# Altium PCB MB1272C_PMIC.PcbDoc (part 8 of 10) (continued)
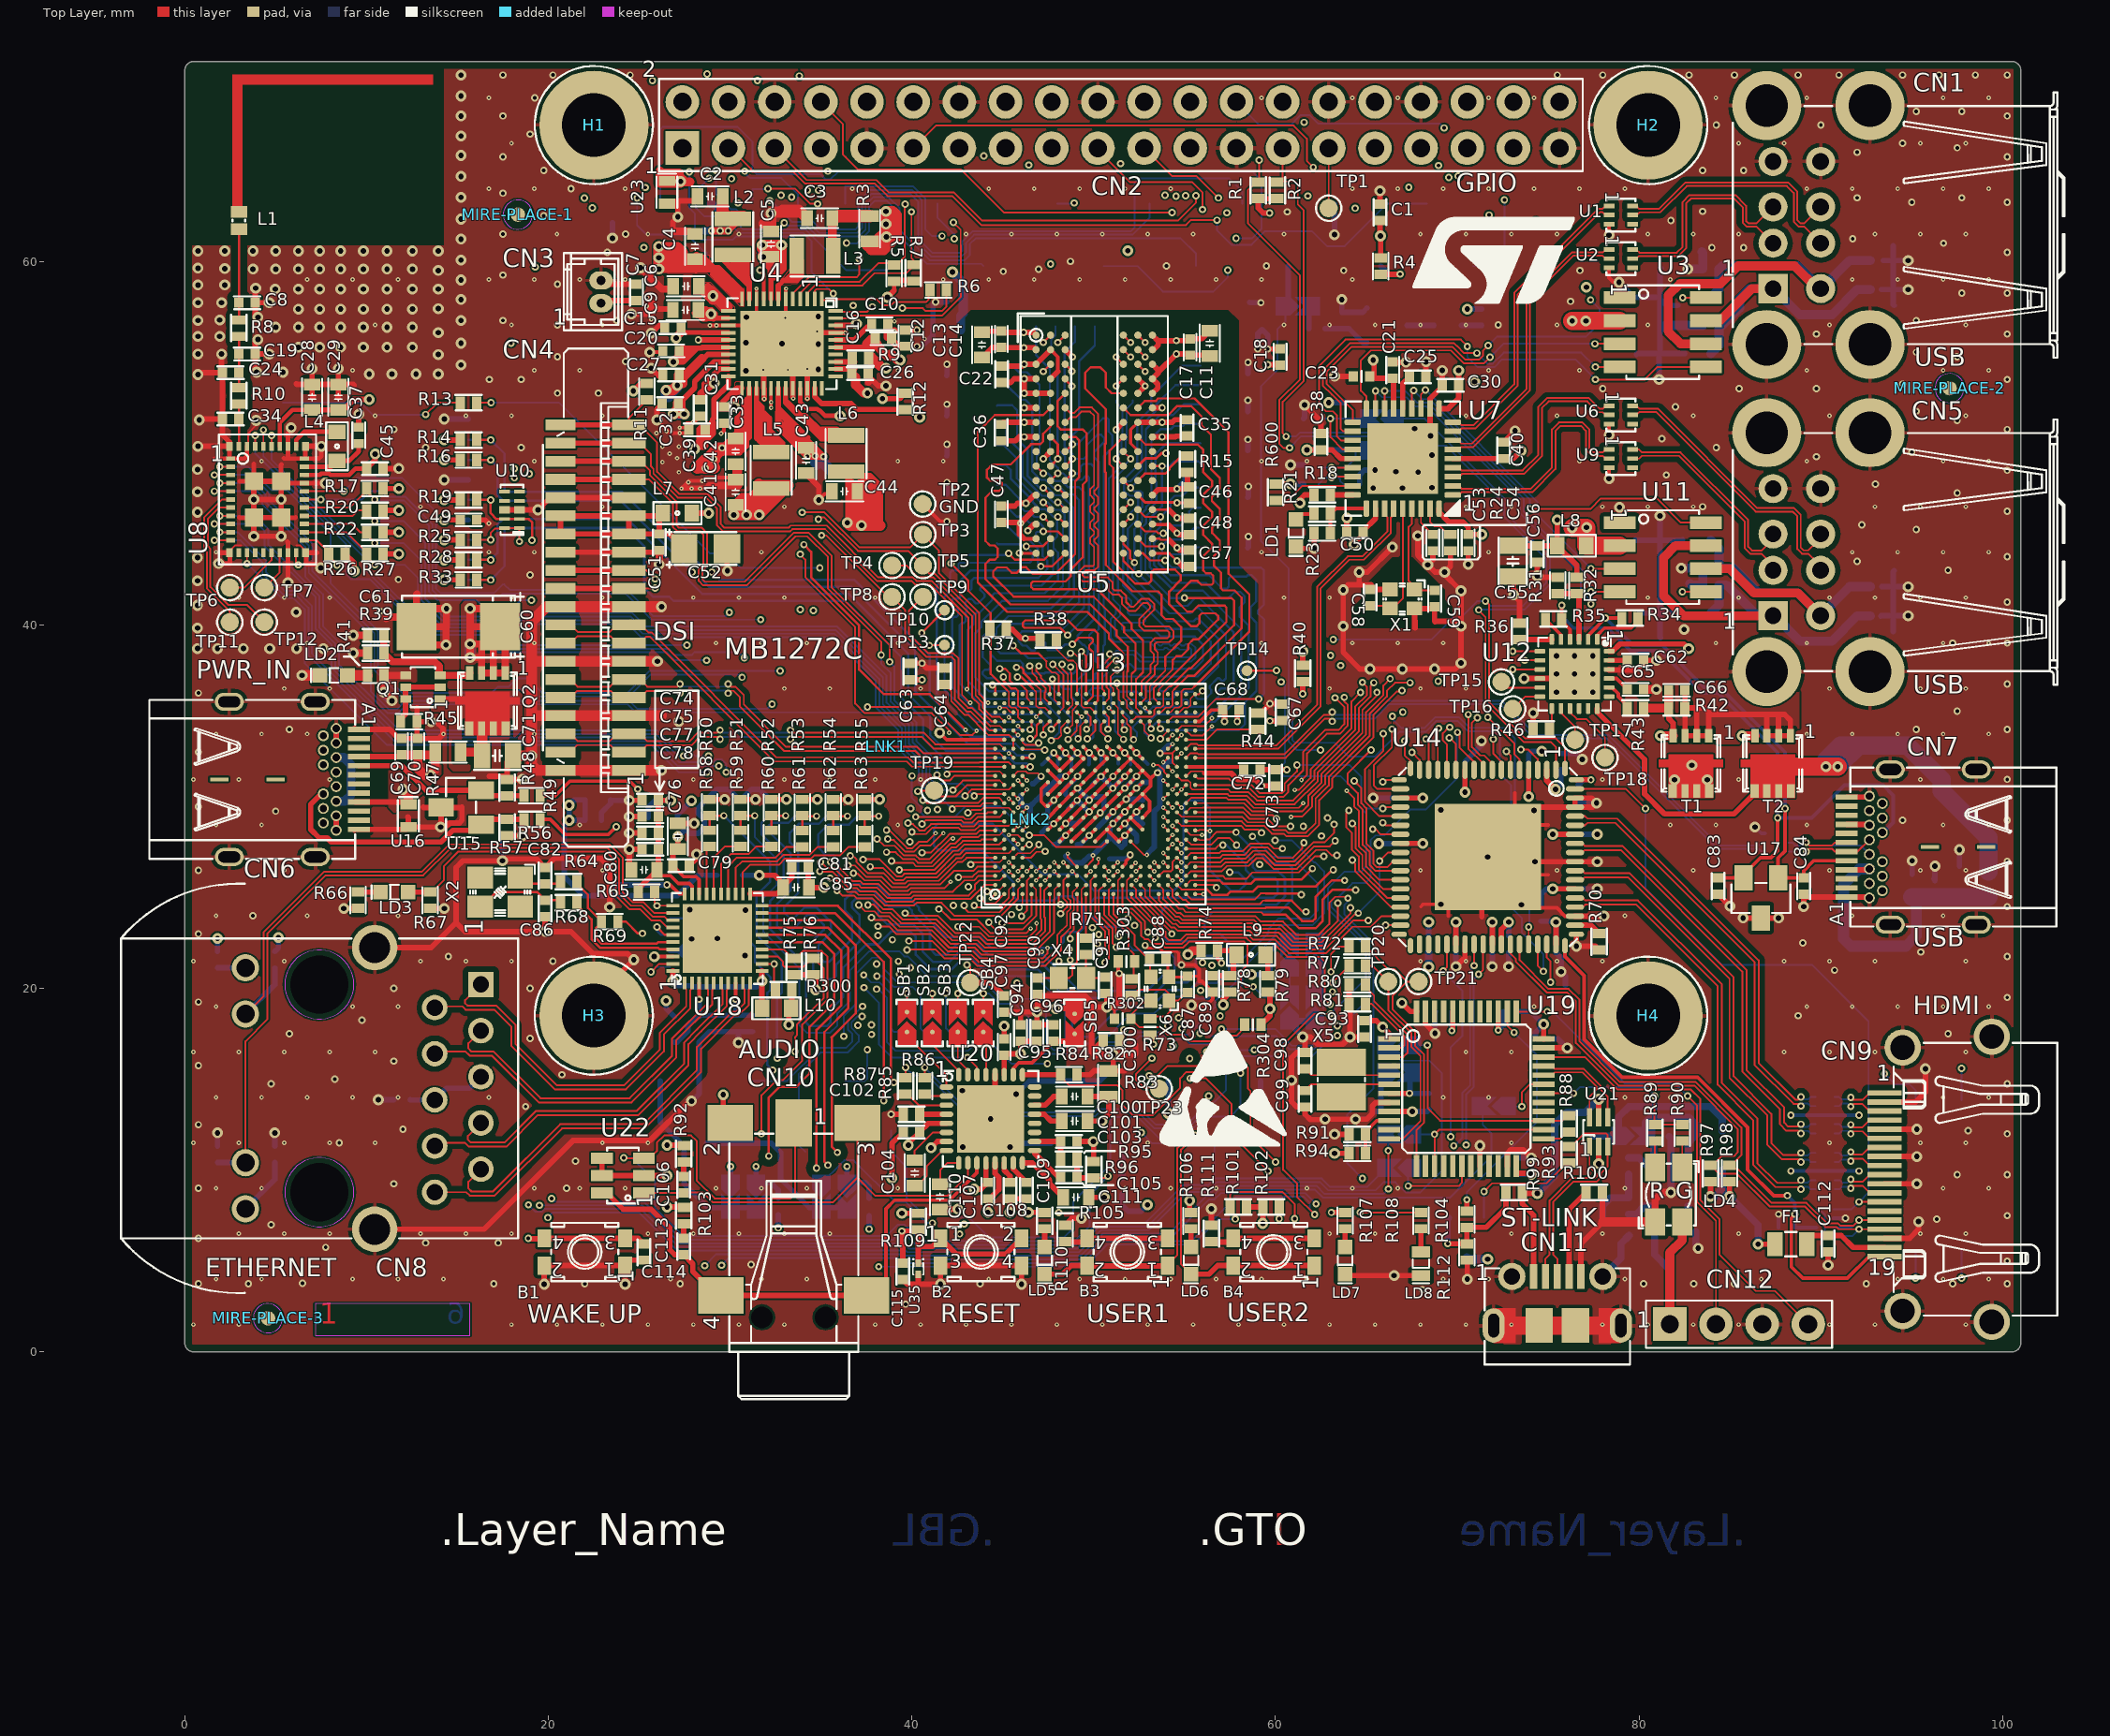
[diagram p0: Top Layer view]
## Nets (pads, with @x,y where several pads share a name; then routed paths per layer and width w, separated by ;. In a path a pad name is that pad's centre, name@x,y a point inside that pad or via, vN(x,y) a via of type N, cw(c..) or ccw(c..) an arc to the next point about the centre after c; other vN are vias at no path point) (continued)
  Bottom Layer w0.1: SB14.2@42.525,18.7 v1(42.525,19.725)
SAI2_SDA: SB2.1 U20.32 | length 3
  Top Layer w0.1: SB2.1@41.125,17.6 41.125,16.9 42.575,15.45 U20.32@42.575,15.25
SAI2_SDAM: SB2.2 SB15.2 U13.F4 | length 16.3
  Top Layer w0.1: SB2.2@41.125,18.7 v1(41.125,19.725) ; v1(41.48,24.365) 41.505,24.39 41.53,24.39 42.13,23.79 43.58,23.79 44.33,23.04 46.28,23.04 v4(46.53,23.29) ; v2(46.83,26.44) U13.F4@47.08,26.69
  Signal Layer 1 w0.1: v4(46.53,23.29) 46.53,26.14 v2(46.83,26.44)
  Signal Layer 2 w0.1: v1(41.48,24.365) v1@41.48,24.49
  Signal Layer 3 w0.1: v1(41.125,19.725) 41.105,19.745 41.105,23.99 v1(41.48,24.365)
  Bottom Layer w0.1: SB15.2@41.125,18.7 v1(41.125,19.725)
SAI2_SDB: SB4.1 U20.29 | length 2.4
  Top Layer w0.1: SB4.1@43.925,17.6 44.075,17.45 U20.29@44.075,15.25
SAI2_SDBM: SB4.2 SB13.2 U13.Y10 | length 43.8
  Top Layer w0.1: SB4.2@43.925,18.7 v1(43.925,19.725) ; v2(53.83,29.94) U13.Y10@54.08,29.69
  Signal Layer 1 w0.1: v2(53.83,29.94) 54.13,29.64 59.125,29.64 59.788,28.977 59.991,28.977 60.95,28.018 60.95,23.798 63.68,21.068 63.68,19.869 63.276,19.465 62.715,19.465 59.84,16.59 58.855,16.59 v1(58.83,16.615)
  Bottom Layer w0.1: SB13.2@43.925,18.7 v1(43.925,19.725) 44.235,19.725 44.81,19.15 45.7,19.15 46.425,18.425 46.425,16.825 46.85,16.4 50.075,16.4 50.525,16.85 51.985,16.85 52.51,17.375 53.888,17.375 54.073,17.19 54.775,17.19 55.075,17.19 55.075,17.175 55.3,16.95 56.35,16.95 56.685,16.615 v1(58.83,16.615)
SDMMC1_CK: CN15.5 R19.1 U10.2 U10.9 U13.D13 | length 41.8
  Top Layer w0.13: R19.1@16.05,46.875 v1(16.825,46.875) 16.825,46.15 17.15,45.825 U10.9@17.59,45.825 U10.2@18.41,45.825 18.925,45.825 19.1,45.65 v1(19.1,44.65) ; v1(34.055,44.415) 34.455,44.015 34.455,42.615 37.101,39.969 37.101,37.544 38.455,36.19 40.98,36.19 v4(42.955,34.215) ; v2(45.83,31.44) U13.D13@46.08,31.19
  Signal Layer 1 w0.13: v4(42.955,34.215) 43.32,33.85 44.83,33.85 45.83,32.85 v2(45.83,31.44)
  Signal Layer 2 w0.13: v1(19.1,44.65) 19.335,44.415 v1(34.055,44.415)
  Bottom Layer w0.13: CN15.5@15.6,46.875 v1(16.825,46.875)
SDMMC1_CMD: CN15.3 R25.1 U10.1 U10.10 U13.D12 | length 44.4
  Top Layer w0.1: R25.1@16.05,44.675 v1(16.825,44.675) 16.825,45.05 17.075,45.3 17.565,45.3 U10.10@17.59,45.325 U10.1@18.41,45.325 v1(18.41,44.59) ; v1(33.855,43.89) 33.83,43.89 34.13,43.59 34.13,42.636 36.88,39.886 36.88,35.67 37.41,35.14 41.091,35.14 42.055,34.176 v4(42.055,34.065) ; U13.D12@46.08,30.69 v2(46.33,30.94)
  Signal Layer 1 w0.1: v4@42.05,34.075 42.5,34.525 44.75,34.525 46.16,33.115 46.75,33.115 46.955,32.91 46.955,32.145 46.605,31.795 46.605,31.326 46.33,31.051 v2(46.33,30.94)
  Signal Layer 2 w0.1: v1(18.41,44.59) 18.425,44.575 18.425,44.37 18.905,43.89 v1(33.855,43.89)
  Bottom Layer w0.1: CN15.3@15.6,44.675 v1(16.825,44.675)
SDMMC1_D0: CN15.7 R16.1 U13.D18 U26.4 U26.7 | length 42.3
  Top Layer w0.09: U13.D18@46.08,33.69 46.08,33.544 46.229,33.395 46.872,33.395 v1(46.975,33.498)
  Top Layer w0.13: R16.1@16.05,49.075 v1(16.825,49.075)
  Signal Layer 2 w0.13: v1(27.912,42.908) v1(28.998,42.908)
  Bottom Layer w0.09: v1(46.975,33.498) v1@47.052,33.575
  Bottom Layer w0.13: CN15.7@15.6,49.075 v1(16.825,49.075) 17.2,48.7 17.2,47.15 17.525,46.825 U26.4@17.89,46.825 U26.7@18.71,46.825 23.988,46.825 27.905,42.908 v1(27.912,42.908) ; v1(28.998,42.908) 29.416,42.49 36.824,42.49 40.985,38.329 40.985,36.089 43.219,33.855 45.851,33.855 46.351,33.355 46.829,33.355 47.049,33.575 v1@47.052,33.575
SDMMC1_D1: CN15.8 R14.1 U13.D17 U26.5 U26.6 | length 43.8
  Top Layer w0.09: U13.D17@46.08,33.19 46.08,33.153 47.293,33.153 47.318,33.178 47.318,33.134 v1(47.305,33.121)
  Top Layer w0.13: R14.1@16.05,50.175 v1(16.825,50.175)
  Bottom Layer w0.1: 45.689,33.465 46.033,33.121 v1(47.305,33.121)
  Bottom Layer w0.13: CN15.8@15.6,50.175 v1(16.825,50.175) 17.59,49.41 17.59,47.45 17.715,47.325 U26.5@17.89,47.325 U26.6@18.71,47.325 24.04,47.325 27.875,43.49 28.155,43.49 28.48,43.165 28.48,42.465 28.845,42.1 36.662,42.1 40.185,38.577 40.185,36.337 43.057,33.465 45.689,33.465
SDMMC1_D2: CN15.1 R33.1 U13.D15 U26.1 U26.10 | length 43.2
  Top Layer w0.13: R33.1@16.05,42.475 v1(16.825,42.475) ; U13.D15@46.08,32.19 v1(46.505,32.19)
  Bottom Layer w0.13: CN15.1@15.6,42.475 v1(16.825,42.475) 17.59,43.24 17.59,45.225 17.69,45.325 U26.1@17.89,45.325 U26.10@18.71,45.325 24.275,45.325 25.28,44.32 25.28,42.025 25.765,41.54 26.66,41.54 26.88,41.32 36.339,41.32 39.405,38.254 39.405,36.014 40.615,34.804 40.615,33.771 41.701,32.685 45.362,32.685 45.657,32.39 46.305,32.39 v1(46.505,32.19)
SDMMC1_D3: CN15.2 R28.1 U13.D16 U26.2 U26.9 | length 41.5
  Top Layer w0.13: R28.1@16.05,43.575 v1(16.825,43.575) ; U13.D16@46.08,32.69 46.455,32.69 46.53,32.765 v1(46.605,32.765)
  Bottom Layer w0.13: CN15.2@15.6,43.575 v1(16.825,43.575) 17.2,43.95 17.2,45.525 17.5,45.825 U26.2@17.89,45.825 U26.9@18.71,45.825 24.345,45.825 28.46,41.71 36.501,41.71 39.795,38.416 39.795,36.176 41.005,34.966 41.005,33.932 41.862,33.075 45.527,33.075 45.784,32.819 ; 45.784,32.815 46.605,32.815 v1(46.605,32.765)
SDMMC2_CK: TP25.1 U8.20 U13.C9 | length 51.2
  Top Layer w0.09: 44.355,28.94 45.33,28.94 U13.C9@45.58,29.19
  Top Layer w0.1: U8.20@6.125,43.975 6.125,43.425 v1(6.25,43.3) ; v1(40.001,28.604) 39.994,28.604 39.98,28.59 40.08,28.49 40.783,28.49 41.133,28.84 42.561,28.84 42.687,28.715 43.473,28.715 43.698,28.94 44.355,28.94
  Signal Layer 2 w0.1: v1(6.25,43.3) 8.085,41.465 v1@19.065,41.465 ; v1(19.076,41.352) 19.189,41.465 33.23,41.465 v1(33.855,40.84)
  Signal Layer 3 w0.1: v1(33.855,40.84) 33.855,40.632 34.205,40.282 34.205,35.165 38.88,30.49 38.88,29.495 39.771,28.604 v1(40.001,28.604)
  Bottom Layer w0.1: TP25.1@18.3,41.175 18.477,41.352 v1(19.076,41.352)
SDMMC2_CMD: R26.2 U8.22 U13.A10 | length 48.3
  Top Layer w0.1: U8.22@6.575,44.65 7.275,44.65 7.925,44 R26.2@7.925,43.9 7.925,43.8 8.375,43.35 v1(8.375,43.275) ; v1(40.205,29.44) 40.23,29.44 42.81,29.44 42.935,29.315 43.225,29.315 43.535,29.625 44.115,29.625 44.18,29.69 U13.A10@44.58,29.69
  Signal Layer 2 w0.1: v1(8.375,43.275) 9.985,41.665 18.715,41.665 18.825,41.775 19.4,41.775 19.51,41.665 33.705,41.665 v1(34.58,40.79)
  Signal Layer 3 w0.1: v1(34.58,40.79) 34.78,40.59 34.78,35.259 39.364,30.675 39.364,29.961 39.785,29.54 40.105,29.54 v1(40.205,29.44)
SDMMC2_D0: R22.2 U8.24 U13.C13 | length 48.7
  Top Layer w0.09: 44.355,30.94 45.33,30.94 U13.C13@45.58,31.19
  Top Layer w0.1: U8.24@6.575,45.55 9.195,45.55 9.645,45.1 R22.2@10,45.1 10,44.953 v1(10.451,44.502) v1(10.451,44.502) ; v1(42.93,30.59) 43.28,30.94 44.355,30.94
  Bottom Layer w0.1: v1(10.451,44.502) 12.023,44.502 13.025,43.5 13.025,41.356 14.131,40.25 24.454,40.25 25.189,39.515 35.714,39.515 38.205,37.024 38.205,35.552 39.44,34.317 39.44,33.284 40.58,32.144 40.58,31.399 41.414,30.565 42.905,30.565 v1(42.93,30.59)
SDMMC2_D1: R17.2 U8.26 U13.B12 | length 50.3
  Top Layer w0.1: U8.26@6.575,46.45 9.075,46.45 R17.2@10,47.375 ; R17.2@10,47.595 R17.2@10,47.5 ; v1@10.451,46.901 v1(10.451,46.902) R17.2@10,47.353 ; v1(43.43,30.59) 43.53,30.69 U13.B12@45.08,30.69 ; R17.2@10,47.353 R17.2@10,47.5 ; R17.2@10,47.353 R17.2@10,47.375 ; R17.2@10,47.375 R17.2@10,47.5
  Bottom Layer w0.1: v1(10.451,46.902) 10.503,46.85 12.042,46.85 13.425,45.467 13.425,41.825 13.9,41.35 16.075,41.35 16.775,40.65 24.62,40.65 25.355,39.915 35.88,39.915 38.605,37.19 38.605,35.718 39.84,34.483 39.84,33.45 40.98,32.31 40.98,31.565 41.28,31.265 42.755,31.265 v1(43.43,30.59)
SDMMC2_D2: R27.2 U8.23 U13.A11 | length 47.3
  Top Layer w0.1: U8.23@6.575,45.1 8.895,45.1 10,43.995 R27.2@10,43.9 10,43.753 v1(10.451,43.302) v1@10.451,43.301 ; v1(42.216,29.865) 42.255,29.865 42.405,30.015 43.738,30.015 43.913,30.19 U13.A11@44.58,30.19
  Bottom Layer w0.1: v1(10.451,43.302) 12.098,43.302 12.825,42.575 12.825,41.273 14.048,40.05 24.371,40.05 25.106,39.315 35.631,39.315 38.005,36.941 38.005,35.469 39.24,34.234 39.24,33.201 40.38,32.061 40.38,31.316 41.331,30.365 41.716,30.365 v1(42.216,29.865)
SDMMC2_D3: R20.2 U8.25 U13.B13 | length 49.2
  Top Layer w0.09: 44.28,31.44 44.83,31.44 U13.B13@45.08,31.19
  Top Layer w0.1: U8.25@6.575,46 9.24,46 9.54,46.3 R20.2@10,46.3 10,46.153 v1(10.451,45.702) v1@10.451,45.701 ; v1(42.255,30.915) 42.255,30.89 42.805,31.44 44.28,31.44
  Bottom Layer w0.1: v1(10.451,45.702) 12.048,45.702 13.225,44.525 13.225,41.439 13.825,40.839 13.833,40.839 13.95,40.721 13.95,40.714 14.214,40.45 24.537,40.45 25.272,39.715 35.797,39.715 38.405,37.107 38.405,35.635 39.64,34.4 39.64,33.367 40.78,32.227 40.78,31.482 41.347,30.915 v1(42.255,30.915)
STLINK_RX: R72.2 TP21.1 U19.13 | length 15.1
  Top Layer w0.1: R72.2@64.95,22.3 66.2,21.05 66.55,21.05 67.225,20.375 ; U19.13@67.75,10.225 67.75,12.192 68.175,12.617 68.175,16.358 67.675,16.858 67.675,17.616 66.45,18.841 66.45,19.6 67.225,20.375 ; TP21.1@67.875,20.375 67.225,20.375
STLINK_SWCLK: SB20.2 TP5.1 U13.B20 | length 131.5
  Top Layer w0.09: 44.405,34.94 44.83,34.94 U13.B20@45.08,34.69
  Top Layer w0.1: v1(34.855,45.815) 34.951,45.911 35.181,45.911 37.027,44.065 39.805,44.065 TP5.1@40.605,43.265 40.605,43.157 40.947,42.815 41.258,42.815 43.505,40.568 43.505,36.107 43.901,35.711 43.901,35.444 44.405,34.94 ; v1(66.2,11.075) 66.2,8.97 v1(66.206,8.964)
  Signal Layer 2 w0.1: v1(18.13,48.59) 18.347,48.59 18.672,48.915 20.363,48.915 22.053,47.225 33.445,47.225 v1(34.855,45.815)
  Signal Layer 3 w0.1: v1(18.13,48.59) 18.13,48.585 18.48,48.235 18.48,47.945 17.602,47.067 17.602,28.652 16.655,27.705 16.655,26.39 17.684,25.361 17.684,9.311 v1(18.905,8.09)
  Bottom Layer w0.1: v1(18.905,8.09) 19.28,7.715 19.65,7.715 19.8,7.865 25.081,7.865 27.171,5.775 39.461,5.775 39.746,5.49 49.189,5.49 50.399,6.7 53.029,6.7 55.119,8.79 56.481,8.79 56.826,9.135 62.26,9.135 62.705,8.69 65.932,8.69 v1(66.206,8.964) ; v1(66.2,11.075) SB20.2@66.2,11.975
STLINK_SWDIO: SB17.2 TP3.1 U13.C20 | length 142.7
  Top Layer w0.09: v4(45.331,34.92) 45.33,34.94 U13.C20@45.58,34.69
  Top Layer w0.1: v1(33.955,46.19) 35.185,46.19 37.11,44.265 39.905,44.265 TP3.1@40.605,44.965 41.48,44.09 41.48,42.876 43.705,40.651 43.705,36.19 v4(44.18,35.715)
  Signal Layer 1 w0.09: v4(44.18,35.715) 44.18,35.708 44.718,35.17 45.079,35.17 ; 45.08,35.171 v4(45.331,34.92)
  Signal Layer 2 w0.1: v1(18.13,48.09) 18.755,48.715 20.28,48.715 21.995,47 33.145,47 v1(33.955,46.19)
  Signal Layer 3 w0.1: v1(18.13,48.09) 18.13,48.08 17.825,47.775 17.825,47.573 17.402,47.15 17.402,28.735 16.455,27.788 16.455,26.307 17.484,25.279 17.484,8.919 18.663,7.74 19.05,7.74 19.375,8.065 v1(19.505,8.065)
  Bottom Layer w0.1: v1(19.505,8.065) 25.164,8.065 27.254,5.975 39.544,5.975 39.829,5.69 49.106,5.69 50.316,6.9 52.946,6.9 55.036,8.99 56.398,8.99 56.743,9.335 62.46,9.335 62.905,8.89 65.505,8.89 65.95,9.335 66.595,9.335 67.155,8.775 67.965,8.775 69.155,9.965 69.155,15.34 68.47,16.025 66.895,16.025 66.2,16.72 SB17.2@66.2,16.875
STLINK_TX: R77.1 TP20.1 U19.12 | length 12.2
  Top Layer w0.1: R77.1@64.95,21.25 65.325,21.25 TP20.1@66.2,20.375 66.2,18.808 67.475,17.533 67.475,16.775 67.975,16.275 67.975,12.7 67,11.725 U19.12@66.25,11.725
STM_JTCK: CN12.2 U19.37 | length 24.5
  Top Layer w0.1: U19.37@73.25,18.725 v1(74.95,18.725) ; v1(82.675,14.075) 83.175,13.575 83.175,8.267 84.23,7.212 CN12.2@84.23,1.525
  Bottom Layer w0.1: v1(74.95,18.725) 75.25,18.725 79.2,14.775 81.975,14.775 v1(82.675,14.075)
STM_JTMS: CN12.4 U19.34 | length 25
  Top Layer w0.1: U19.34@74.75,16.225 77.017,16.225 78.792,14.45 82.825,14.45 83.375,13.9 83.375,8.35 84.43,7.295 84.43,5.345 86.425,3.35 87.485,3.35 CN12.4@89.31,1.525
STM_RST: C182.2 R161.1 SB18.2 U19.7 | length 4
  Top Layer w0.3: U19.7@66.25,14.225 v1(67.375,14.225)
  Bottom Layer w0.3: C182.2@66.7,14.225 v1@67.35,14.225 ; SB18.2@67.4,15.375 67.4,14.25 v1(67.375,14.225) R161.1@68.45,14.225
STUSB1600_IRQOUTN: U12.9 U13.P4 | length 39.2
  Top Layer w0.1: U13.P4@51.08,26.69 v2(51.33,26.94) ; v1(73.05,37.55) U12.9@74.55,37.55
  Signal Layer 1 w0.1: v2(51.33,26.94) 51.605,26.665 51.605,25.569 53.397,23.777 v1(53.397,22.8)
  Signal Layer 2 w0.1: v1(53.397,22.8) 53.397,23.907 56.93,27.44 58.785,27.44 60.622,29.277 62.382,29.277 62.98,28.679 63.516,28.679 64.68,27.515 66.059,27.515 70.109,31.565 70.608,31.565 72.424,33.381 72.847,33.381 73.052,33.176 73.052,32.963 73.25,32.765 73.626,32.765 73.856,32.995 73.856,33.397 73.05,34.203 v1(73.05,37.55)
T_JTCK: SB20.1 U19.15 U19.26 | length 9.3
  Top Layer w0.1: U19.15@68.75,10.225 v1(68.75,11.975) 69,12.225 U19.26@74.75,12.225
  Bottom Layer w0.1: SB20.1@67.3,11.975 v1(68.75,11.975)
T_JTMS: R88.1 SB17.1 U19.27 | length 12.7
  Top Layer w0.1: v1(68.35,16.875) 68.375,16.85 68.375,13.4 69.05,12.725 U19.27@74.75,12.725 75.775,12.725 76.05,13 R88.1@76.15,13
  Bottom Layer w0.1: SB17.1@67.3,16.875 v1(68.35,16.875)
T_NRST: SB22.1 U19.18 | length 4.9
  Top Layer w0.1: v1(67.3,9.125) 70.075,9.125 70.25,9.3 U19.18@70.25,10.225
  Bottom Layer w0.1: v1(67.3,9.125) SB22.1@67.3,10.125
T_SWDIO_IN: R88.2 U19.25 | length 1.6
  Top Layer w0.1: U19.25@74.75,11.725 75.65,11.725 76.025,12.1 R88.2@76.15,12.1
T_SWO: SB19.1 U19.31 | length 3.2
  Top Layer w0.1: v1(73.55,13.5) 73.55,14.275 74,14.725 U19.31@74.75,14.725
  Bottom Layer w0.1: SB19.1@72.5,13.525 72.525,13.5 v1(73.55,13.5)
TX0_N: U14.61 U32.9 | length 24
  Top Layer w0.1: U14.61@76.475,25.975 76.875,25.975 77.01,26.11 79.39,26.11 84.975,20.525 84.975,15.075 87.05,13 87.05,11.4 87.855,10.595 88.865,10.595 v1@88.9,10.56
  Bottom Layer w0.1: v1(88.9,10.45) 88.9,10.56 88.925,10.585 89.29,10.585 89.425,10.45 U32.9@89.7,10.45
TX0_P: U14.62 U32.10 | length 24.1
  Top Layer w0.1: U14.62@76.475,26.475 76.875,26.475 77.01,26.34 79.485,26.34 85.205,20.62 85.205,15.17 87.28,13.095 87.28,11.495 87.95,10.825 88.775,10.825 v1(88.9,10.95)
  Bottom Layer w0.1: v1(88.9,10.95) 88.9,10.84 88.925,10.815 89.29,10.815 89.425,10.95 U32.10@89.7,10.95
TX0C_N: CN9.9 U32.2 | length 3.1
  Top Layer w0.1: v1(91.65,10.5) 91.785,10.635 92.29,10.635 92.675,10.25 CN9.9@93.5,10.25
  Bottom Layer w0.1: U32.2@90.75,10.45 91,10.45 91.135,10.585 91.565,10.585 v1(91.65,10.5)
TX0C_P: CN9.7 U32.1 | length 3.1
  Top Layer w0.1: v1(91.65,11) 91.785,10.865 92.29,10.865 92.675,11.25 CN9.7@93.5,11.25
  Bottom Layer w0.1: U32.1@90.75,10.95 91,10.95 91.135,10.815 91.465,10.815 v1(91.65,11)
TX1_N: U14.64 U31.6 | length 23.6
  Top Layer w0.1: U14.64@76.475,27.475 76.875,27.475 77.01,27.61 78.99,27.61 85.675,20.925 85.675,15.425 87.75,13.35 87.75,12.525 88.105,12.17 88.755,12.17 v1(88.9,12.025)
  Bottom Layer w0.1: v1(88.9,12.025) 88.9,12.135 88.925,12.16 89.29,12.16 89.425,12.025 U31.6@89.7,12.025
TX1_P: U14.65 U31.7 | length 23.6
  Top Layer w0.1: U14.65@76.475,27.975 76.875,27.975 77.01,27.84 79.085,27.84 85.905,21.02 85.905,15.52 87.98,13.445 87.98,12.62 88.2,12.4 88.775,12.4 v1(88.9,12.525)
  Bottom Layer w0.1: v1(88.9,12.525) 88.9,12.415 88.925,12.39 89.29,12.39 89.425,12.525 U31.7@89.7,12.525
TX1C_N: CN9.6 U31.5 | length 3.1
  Top Layer w0.1: v1(91.65,12) 91.785,12.135 92.29,12.135 92.675,11.75 CN9.6@93.5,11.75
  Bottom Layer w0.1: U31.5@90.75,12.025 91.025,12.025 91.16,12.16 91.49,12.16 v1(91.65,12)
TX1C_P: CN9.4 U31.4 | length 3.1
  Top Layer w0.1: v1(91.65,12.5) 91.785,12.365 92.29,12.365 92.675,12.75 CN9.4@93.5,12.75
  Bottom Layer w0.1: U31.4@90.75,12.525 91.025,12.525 91.16,12.39 91.54,12.39 v1(91.65,12.5)
TX2_N: U14.67 U31.9 | length 23.2
  Top Layer w0.1: U14.67@76.475,28.975 77.025,28.975 77.16,29.11 78.69,29.11 86.35,21.45 86.35,15.8 88.5,13.65 88.775,13.65 v1(88.9,13.525)
  Bottom Layer w0.1: v1(88.9,13.525) 88.9,13.635 88.925,13.66 89.29,13.66 89.425,13.525 U31.9@89.7,13.525
TX2_P: U14.68 U31.10 | length 23.2
  Top Layer w0.1: U14.68@76.475,29.475 77.025,29.475 77.16,29.34 78.785,29.34 86.58,21.545 86.58,15.895 88.595,13.88 88.755,13.88 v1(88.9,14.025)
  Bottom Layer w0.1: v1(88.9,14.025) 88.9,13.915 88.925,13.89 89.29,13.89 89.425,14.025 U31.10@89.7,14.025
TX2C_N: CN9.3 U31.2 | length 3.1
  Top Layer w0.1: v1(91.65,13.5) 91.785,13.635 92.29,13.635 92.675,13.25 CN9.3@93.5,13.25
  Bottom Layer w0.1: U31.2@90.75,13.525 91,13.525 91.135,13.66 91.49,13.66 v1(91.65,13.5)
TX2C_P: CN9.1 U31.1 | length 3.1
  Top Layer w0.1: v1(91.65,14) 91.785,13.865 92.29,13.865 92.675,14.25 CN9.1@93.5,14.25
  Bottom Layer w0.1: U31.1@90.75,14.025 91,14.025 91.135,13.89 91.54,13.89 v1(91.65,14)
TXC_N: U14.58 U32.6 | length 24.6
  Top Layer w0.1: U14.58@76.475,24.475 76.9,24.475 77.035,24.61 79.84,24.61 84.325,20.125 84.325,14.7 86.275,12.75 86.275,10.3 87.505,9.07 88.78,9.07 v1(88.9,8.95)
  Bottom Layer w0.1: v1(88.9,8.95) 88.9,9.06 88.925,9.085 89.29,9.085 89.425,8.95 U32.6@89.7,8.95
TXC_P: U14.59 U32.7 | length 24.6
  Top Layer w0.1: U14.59@76.475,24.975 76.9,24.975 77.035,24.84 79.935,24.84 84.555,20.22 84.555,14.795 86.505,12.845 86.505,10.395 87.6,9.3 88.75,9.3 v1(88.9,9.45)
  Bottom Layer w0.1: v1(88.9,9.45) 88.9,9.34 88.925,9.315 89.29,9.315 89.425,9.45 U32.7@89.7,9.45
TXCC_N: CN9.12 U32.5 | length 3.1
  Top Layer w0.1: v1(91.65,9) 91.785,9.135 92.29,9.135 92.675,8.75 CN9.12@93.5,8.75
  Bottom Layer w0.1: U32.5@90.75,8.95 91.025,8.95 91.16,9.085 91.565,9.085 v1(91.65,9)
TXCC_P: CN9.10 U32.4 | length 3.1
  Top Layer w0.1: v1(91.65,9.5) 91.785,9.365 92.29,9.365 92.675,9.75 CN9.10@93.5,9.75
  Bottom Layer w0.1: U32.4@90.75,9.45 91.025,9.45 91.16,9.315 91.465,9.315 v1(91.65,9.5)
UART4_RX: R77.2 U13.Y16 | length 34.6
  Top Layer w0.1: v2(53.83,32.44) U13.Y16@54.08,32.69 ; v1(63.13,20.315) 63.13,20.33 R77.2@64.05,21.25
  Signal Layer 1 w0.1: v2(53.83,32.44) 60.093,32.44 60.518,32.865 61.738,32.865 62.038,32.565 63.497,32.565 66.247,35.315 66.78,35.315 66.981,35.114 67,35.133 v1(67,35.2)
  Signal Layer 3 w0.1: v1(63.13,20.315) 62.58,20.865 62.58,26.59 63.03,27.04 63.03,27.46 63.235,27.665 63.455,27.665 63.631,27.841 63.631,29.489 63.38,29.74 63.38,32.165 64.945,33.73 64.945,34.311 65.984,35.35 66.8,35.35 v1@66.975,35.175 ; v1@66.925,35.125 v1@66.975,35.075
UART4_TX: R72.1 U13.Y7 | length 14.7
  Top Layer w0.1: U13.Y7@54.08,28.19 v2(54.33,28.44) ; v1(63.055,20.915) 63.055,21.885 63.47,22.3 R72.1@64.05,22.3
  Signal Layer 1 w0.1: v2(54.33,28.44) 55.013,28.44 56.513,26.94 57.708,26.94 58.275,26.374 58.275,25.695 v1(63.055,20.915)
USART2_CTS: U8.5 U13.D14 | length 57
  Top Layer w0.1: v1(1.624,47.35) U8.5@2.525,47.35 ; v1(37.555,35.49) 41.08,35.49 42.63,33.94 43.33,33.94 v4(43.555,34.165) ; U13.D14@46.08,31.69 v2(46.33,31.44)
  Signal Layer 1 w0.09: v4@43.55,34.175 44.802,34.175 46.13,32.847 46.13,31.64 v2(46.33,31.44)
  Bottom Layer w0.1: v1(1.624,47.35) 3.986,47.35 4.25,47.086 4.25,46.659 6.625,44.284 6.625,42.658 7.6,41.683 7.6,39.927 8.475,39.052 8.475,37.817 11.142,35.15 11.75,35.15 12.225,35.625 24.362,35.625 24.797,35.19 37.255,35.19 v1(37.555,35.49)
USART2_RTS: U8.4 U13.B6 | length 59.5
  Top Layer w0.1: v1(1.925,47.8) U8.4@2.525,47.8 ; v1(37.305,27.09) 37.33,27.115 38.21,27.115 39.16,26.165 39.45,26.165 39.6,26.315 41.308,26.315 42.356,27.363 42.615,27.363 42.942,27.69 U13.B6@45.08,27.69
  Signal Layer 3 w0.1: v1(32.305,35.64) 32.33,35.615 32.33,33.315 33.179,32.466 34.064,32.466 35.65,30.879 35.65,29.214 37.305,27.559 v1(37.305,27.09)
  Bottom Layer w0.1: v1(1.925,47.8) 3.819,47.8 4.45,47.169 4.45,46.742 6.825,44.367 6.825,42.868 10.23,39.463 10.23,36.345 11.225,35.35 11.667,35.35 12.142,35.825 24.445,35.825 24.88,35.39 32.055,35.39 v1(32.305,35.64)
USART2_RX: TP27.1 U8.3 U13.D2 | length 64.3
  Top Layer w0.09: 45.83,24.965 45.83,25.44 U13.D2@46.08,25.69
  Top Layer w0.1: v1(1.624,48.25) U8.3@2.525,48.25 ; v1@35.686,26.09 36.471,25.306 36.897,25.306 37.062,25.141 37.921,25.141 38.497,24.565 40.113,24.565 40.263,24.715 41.63,24.715 42.355,23.99 44.896,23.99 45.83,24.924 45.83,24.965
  Signal Layer 3 w0.1: v1(30.654,37.116) 30.679,37.116 30.679,36.489 30.525,36.335 30.525,32.426 32.305,30.646 32.305,29.69 34.43,27.565 34.43,26.445 34.785,26.09 35.474,26.09 v1(35.499,26.065)
  Bottom Layer w0.1: v1(1.624,48.25) 3.652,48.25 4.65,47.252 4.65,46.825 7.025,44.45 7.025,42.951 10.43,39.546 10.43,37.512 11.877,36.065 18.065,36.065 TP27.1@18.6,36.6 19.135,36.065 24.438,36.065 25.638,37.265 30.505,37.265 v1(30.654,37.116)
USART2_TX: TP28.1 U8.2 U13.A7 | length 60.7
  Top Layer w0.1: v1(1.925,48.7) U8.2@2.525,48.7 ; v1(38.88,27.015) 38.98,26.915 40.044,26.915 40.244,26.715 41.142,26.715 42.19,27.763 42.45,27.763 42.802,28.115 43.755,28.115 43.83,28.19 U13.A7@44.58,28.19
  Signal Layer 3 w0.1: 32.905,37.314 32.905,35.456 32.73,35.281 32.73,33.481 33.345,32.866 34.229,32.866 36.05,31.045 36.05,29.38 38.415,27.015 v1(38.88,27.015)
  Bottom Layer w0.1: v1(1.925,48.7) 3.485,48.7 4.767,47.418 5.614,47.418 8.025,45.007 8.025,42.275 10.5,39.8 10.5,39.759 10.63,39.629 10.63,37.595 11.96,36.265 16.89,36.265 TP28.1@17.225,36.6 17.825,36.6 18.275,37.05 18.875,37.05 19.66,36.265 24.355,36.265 25.555,37.465 28.58,37.465 ; 28.581,37.466 v1(32.754,37.466)
USB1_N: U7.30 U13.AB17 | length 21.2
  Top Layer w0.1: U13.AB17@55.08,33.19 55.335,33.445 55.686,33.445 55.751,33.38 60.061,33.38 62.29,35.609 62.29,42.09 63.975,43.775 64.781,43.775 66.15,45.144 66.15,45.925 66,46.075 U7.30@66,46.4
USB1_P: U7.31 U13.AC17 | length 20.9
  Top Layer w0.1: U13.AC17@55.58,33.19 60.14,33.19 61.24,34.29 62.48,35.53 62.48,42.011 64.054,43.585 64.86,43.585 65.065,43.79 66.34,45.065 66.34,45.915 66.5,46.075 U7.31@66.5,46.4
USB1CN25_N: CN5.T2 U9.5 | length 11.4
  Top Layer w0.1: U9.5@79.65,49.15 80,49.15 80.155,49.305 82.195,49.305 85.81,45.69 85.81,44.221 86.126,43.905 86.75,43.905 87.37,43.285 CN5.T2@87.37,43
USB1CN25_P: CN5.T3 U9.6 | length 11.4
  Top Layer w0.1: U9.6@79.65,49.65 80,49.65 80.155,49.495 82.274,49.495 86,45.769 86,44.3 86.205,44.095 86.75,44.095 87.37,44.715 CN5.T3@87.37,45
USB2_N: U13.AB16 U29.2 | length 36.7
  Top Layer w0.09: 55.33,32.94 55.7,32.94
  Top Layer w0.1: U13.AB16@55.08,32.69 55.33,32.94 ; 55.7,32.94 55.765,32.875 60.481,32.875 61.896,34.29 62.581,34.975 62.646,35.04 62.97,35.04 v1(63.125,35.195)
  Bottom Layer w0.1: v1(63.125,35.195) 63.28,35.04 65.391,35.04 66.181,35.83 72.434,35.83 74.324,33.94 78.304,33.94 84.374,27.87 86.57,27.87 86.725,28.025 U29.2@86.925,28.025
USB2_P: U13.AC16 U29.1 | length 36.1
  Top Layer w0.1: U13.AC16@55.58,32.685 U13.AC16@55.58,32.69 55.585,32.685 60.56,32.685 62.725,34.85 62.97,34.85 v1(63.125,34.695)
  Bottom Layer w0.1: v1(63.125,34.695) 63.28,34.85 65.47,34.85 66.26,35.64 72.355,35.64 74.245,33.75 78.225,33.75 84.295,27.68 86.57,27.68 86.725,27.525 U29.1@86.925,27.525
USB2CN25_N: CN5.B2 U6.5 | length 15.2
  Top Layer w0.1: U6.5@79.65,51.55 79.85,51.55 80.005,51.705 80.945,51.705 86.415,46.235 88.44,46.235 88.7,45.975 88.7,44.175 88.965,43.91 89.3,43.91 89.99,43.22 CN5.B2@89.99,43
USB2CN25_P: CN5.B3 U6.6 | length 15.2
  Top Layer w0.1: U6.6@79.65,52.05 79.85,52.05 80.005,51.895 81.024,51.895 86.494,46.425 88.519,46.425 88.659,46.284 88.89,46.054 88.89,44.254 89.044,44.1 89.3,44.1 89.99,44.79 CN5.B3@89.99,45
USB3CN26_N: CN1.T2 U2.5 | length 12
  Top Layer w0.1: U2.5@79.65,60.15 79.85,60.15 79.985,60.285 82.154,60.285 82.586,60.717 82.586,63.186 82.85,63.45 85.225,63.45 85.7,62.975 85.7,62.131 85.926,61.905 86.465,61.905 CN1.T2@87.37,61
USB3CN26_P: CN1.T3 U2.6 | length 12.1
  Top Layer w0.1: U2.6@79.65,60.65 79.85,60.65 80.025,60.475 82.075,60.475 82.396,60.796 82.396,63.264 82.771,63.64 85.304,63.64 85.834,63.109 85.89,63.054 85.89,62.21 86.005,62.095 86.465,62.095 CN1.T3@87.37,63
USB4CN26_N: CN1.B2 U1.5 | length 13.2
  Top Layer w0.1: U1.5@79.65,62.55 79.875,62.55 80.025,62.7 81.175,62.7 82.625,64.15 88.125,64.15 88.51,63.765 88.51,62.191 88.796,61.905 89.085,61.905 CN1.B2@89.99,61
USB4CN26_P: CN1.B3 U1.6 | length 13.2
  Top Layer w0.1: U1.6@79.65,63.05 79.85,63.05 80.01,62.89 81.096,62.89 82.546,64.34 88.204,64.34 88.7,63.844 88.7,62.27 88.875,62.095 89.085,62.095 CN1.B3@89.99,63
USB_DCONN_N: CN7.A7 CN7.B7 U29.5 | length 7.2
  Top Layer w0.1: v1(89.2,28.025) 89.355,27.87 90.615,27.87 90.77,28.025 CN7.A7@91.42,28.025
  Bottom Layer w0.1: U29.5@88.225,28.025 88.425,28.025 88.58,27.87 89.045,27.87 v1(89.2,28.025) 89.355,27.87 92.175,27.87 CN7.B7@92.67,27.375
USB_DCONN_P: CN7.A6 CN7.B6 U29.6 | length 5
  Top Layer w0.1: v1(89.2,27.525) 89.355,27.68 90.615,27.68 90.77,27.525 CN7.A6@91.42,27.525 92.02,27.525 CN7.B6@92.67,28.175
  Bottom Layer w0.1: U29.6@88.225,27.525 88.425,27.525 88.58,27.68 89.045,27.68 v1(89.2,27.525)
USB_PWR_CC1: R49.2 U13.V4 | length 56.6
  Top Layer w0.1: U13.V4@53.08,26.69 v2(53.33,26.44)
  Top Layer w0.2: R49.2@19.55,30.6 20.375,30.6 21.175,31.4 24.49,31.4 v1(24.925,30.965)
  Signal Layer 1 w0.1: v2(53.33,26.44) 53.055,26.165 53.055,25.534 53.974,24.615 54.198,24.615 57.073,21.74 57.175,21.74 57.38,21.535 57.38,21.245 56.025,19.89 v1(55.881,19.89)
  Signal Layer 2 w0.1: v1(37.03,17.965) 37.08,18.015 37.3,18.015 38.185,18.9 43.875,18.9 44.15,19.175 47.125,19.175 47.375,18.925 47.375,18.55 47.671,18.254 48.429,18.254 49.25,19.075 49.525,19.075 50.35,19.9 55.87,19.9 v1(55.881,19.89)
  Signal Layer 3 w0.1: v1(24.925,30.965) 24.925,27.829 29.314,23.44 31.769,23.44 34,21.209 34,19.353 35.388,17.965 v1(37.03,17.965)
USB_PWR_CC2: R56.2 U13.V3 | length 58.8
  Top Layer w0.1: U13.V3@53.08,26.19 v2(53.33,25.94)
  Top Layer w0.2: R56.2@19.55,29.3 20.095,29.3 20.93,28.465 23.305,28.465 v1(23.73,28.89)
  Signal Layer 1 w0.1: v2(53.33,25.94) 53.33,25.542 54.057,24.815 54.281,24.815 57.156,21.94 57.258,21.94 57.58,21.618 57.58,21.162 56.231,19.813 56.231,19.139 56.232,19.137 56.232,19.013 56.231,19.011 56.231,18.826 56.205,18.801 56.205,18.705 55.2,17.7 55.2,17.6 55.05,17.45 54.575,17.45 54.433,17.592 54.433,18.14 v1(54.675,18.382)
  Signal Layer 2 w0.1: v1(37.78,17.99) 38.458,18.667 44.082,18.667 44.39,18.975 45.675,18.975 46.6,18.05 48.525,18.05 49.35,18.875 49.608,18.875 50.404,19.671 54.121,19.671 54.125,19.675 54.675,19.125 v1(54.675,18.382)
  Signal Layer 3 w0.1: v1(23.73,28.89) 23.73,27.4 27.89,23.24 31.686,23.24 33.8,21.126 33.8,19.27 36.055,17.015 36.805,17.015 v1(37.78,17.99)
USB_RENUMN: R104.2 U19.38 | length 13.2
  Top Layer w0.1: U19.38@72.75,18.725 72.75,17.95 v1(73.125,17.575)
  Top Layer w0.3: R104.2@70.525,7.75 v1(70.525,8.375)
  Bottom Layer w0.1: v1(70.525,8.375) 70.525,8.785 74.38,12.64 74.38,16.32 v1(73.125,17.575)
USB_STLK_ID: CN11.4 R100.2 | length 5
  Top Layer w0.3: CN11.4@76.15,4.15 76.15,7.85 R100.2@77.075,8.775
USB_STLK_N: U19.32 U21.6 | length 5.2
  Top Layer w0.1: U19.32@74.75,15.225 75.225,15.225 75.38,15.38 76.876,15.38 77.68,14.576 77.68,14.441 77.275,14.036 U21.6@77.275,12.905
USB_STLK_P: U19.33 U21.4 | length 5.5
  Top Layer w0.1: U19.33@74.75,15.725 75.225,15.725 75.38,15.57 76.955,15.57 77.87,14.655 77.87,14.441 78.275,14.036 U21.4@78.275,12.905
USBDN1_N: U7.1 U9.2 | length 12.8
  Top Layer w0.1: U7.1@69.75,47.15 70.075,47.15 70.23,47.305 74.13,47.305 75.4,48.575 75.4,50.675 75.675,50.95 76.8,50.95 77.075,50.675 77.075,49.631 77.406,49.3 78,49.3 78.15,49.15 U9.2@78.35,49.15
USBDN1_P: U7.2 U9.1 | length 12.8
  Top Layer w0.1: U7.2@69.75,47.65 70.075,47.65 70.23,47.495 74.051,47.495 75.21,48.654 75.21,50.754 75.596,51.14 76.879,51.14 77.265,50.754 77.265,49.71 77.485,49.49 77.99,49.49 78.15,49.65 U9.1@78.35,49.65
USBDN2_N: U6.2 U7.3 | length 12.2
  Top Layer w0.1: U7.3@69.75,48.15 70.1,48.15 70.255,48.305 73.674,48.305 74.65,49.281 74.65,51.925 75.025,52.3 77.15,52.3 77.75,51.7 78,51.7 78.15,51.55 U6.2@78.35,51.55
USBDN2_P: U6.1 U7.4 | length 12.2
  Top Layer w0.1: U7.4@69.75,48.65 70.075,48.65 70.23,48.495 73.595,48.495 74.46,49.36 74.46,52.004 74.946,52.49 77.229,52.49 77.829,51.89 77.99,51.89 78.15,52.05 U6.1@78.35,52.05
USBDN3_N: U2.2 U7.6 | length 16
  Top Layer w0.1: U7.6@69.75,49.65 70.075,49.65 70.21,49.785 70.879,49.785 70.904,49.81 74,52.906 74,57.925 76.38,60.305 77.995,60.305 78.15,60.15 U2.2@78.35,60.15
USBDN3_P: U2.1 U7.7 | length 16
  Top Layer w0.1: U7.7@69.75,50.15 70.05,50.15 70.225,49.975 70.8,49.975 73.81,52.985 73.81,58.004 76.301,60.495 77.995,60.495 78.15,60.65 U2.1@78.35,60.65
USBDN4_N: U1.2 U7.8 | length 16.6
  Top Layer w0.1: U7.8@69.75,50.65 70.075,50.65 70.235,50.81 70.979,50.81 73.325,53.156 73.325,58.181 77.849,62.705 77.995,62.705 78.15,62.55 U1.2@78.35,62.55
USBDN4_P: U1.1 U7.9 | length 16.6
  Top Layer w0.1: U7.9@69.75,51.15 70.075,51.15 70.225,51 70.9,51 73.135,53.235 73.135,58.26 77.77,62.895 77.995,62.895 78.15,63.05 U1.1@78.35,63.05